# Altium PCB MU_MP_39_V1.PcbDoc (part 15 of 15)
Units mm, origin at the board's own origin, x right, y up, seen from the top; angles counter-clockwise.
Board outline 133 x 94 mm, 8 copper layers (Top Layer, GND_1, POWER_1, POWER_2, GND_2, Inner_Layer, GND_3, Bottom Layer), stack 1.468 mm thick; 934 components, 729 nets, 4006 pads, 2645 vias.
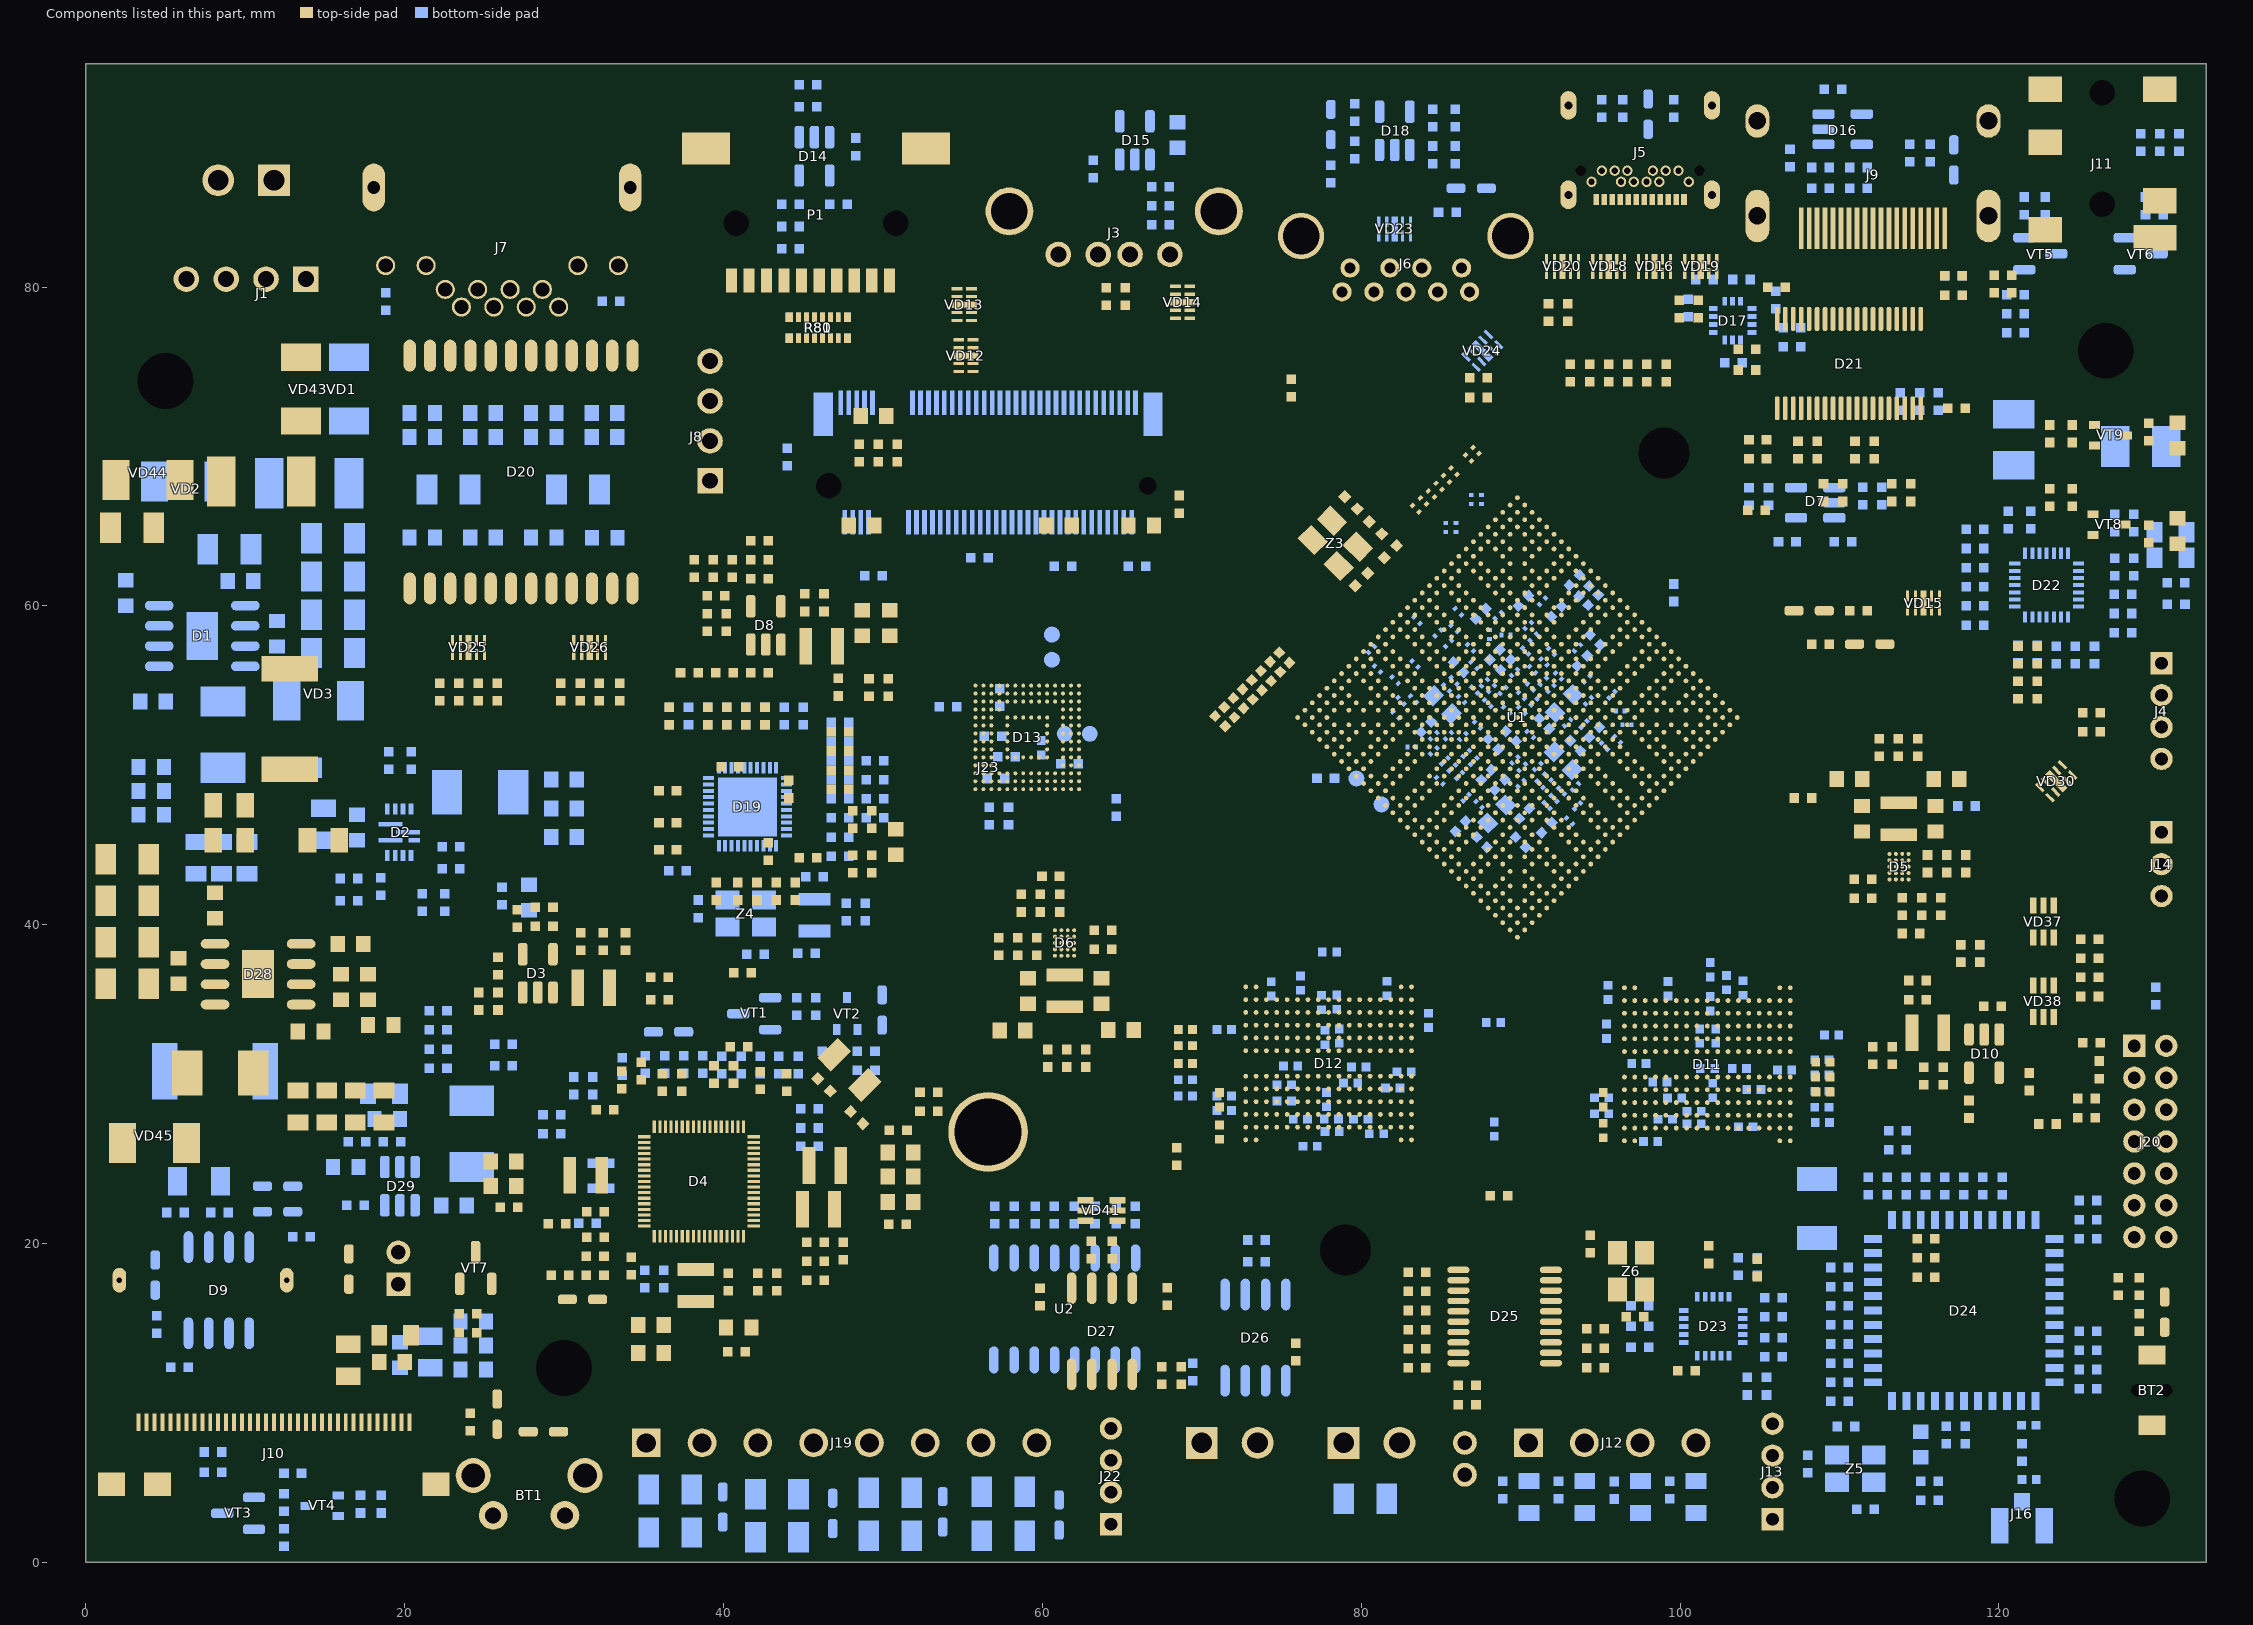
[diagram p21: the components of this part, seen from the top]

## Other copper (continued)
Inner_Layer:
  pour cut-out: 52.05,67.825 52.05,67.625 52.3,67.625 52.3,67.825
  pour cut-out: 106,53.9 106,53.5 106.5,53.5 106.5,53.9
  pour cut-out: 83.4,63 85,63 85,63.1 83.4,63.1
  pour cut-out: 77.9,73.1 77.9,72.7 78.3,72.7 78.3,73.1
  pour cut-out: 74.8,72.3 74.8,71.9 75.2,71.9 75.2,72.3
  pour cut-out: 74.8,67.1 74.8,66.2 74.7,66.2 74.7,67.1
  pour cut-out: 83,66.6 83,66.4 79.3,66.4 79.3,66.6
  pour cut-out: 100.6,54.6 100.6,54.3 101.2,53.7 101.5,53.7 101.5,54 100.9,54.6
  pour cut-out: 99.2,56 99.2,55.5 99.7,55.5 99.7,56
  pour cut-out: 103.2,71.7 103.1,71.7 103.1,73.6 103.2,73.6
  pour cut-out: 83,67 83,66.2 83.1,66.2 83.1,67
  pour cut-out: 88.9,73 88.9,72.6 89.3,72.6 89.3,73
  pour cut-out: 85.9,74.8 87.6,73.1 87.7,73.2 86,74.9
  pour cut-out: 120.8,66.9 120.8,67.5 120.5,67.5 120.5,66.9
  pour cut-out: 101.6,51.8 101.6,51.4 101.9,51.4 101.9,51.8
  pour cut-out: 123.5,42.1 123.5,39.3 123.2,39.3 123.2,42.1
  pour cut-out: 110.6,22 110.6,21.6 111,21.6 111,22
  pour cut-out: 56.9,57.6 63.2,57.6 63.3,57.5 63.6,57.5 63.6,57.7 63.5,57.8 56.9,57.8
  pour cut-out: 71.7,47.2 71.7,45.9 71.4,45.9 71.4,47.2
  pour cut-out: 60.1,26.9 60.8,26.9 61.6,27.7 61.7,27.6 60.8,26.7 60.1,26.7
  pour cut-out: 40.5,11.8 45.2,11.8 45.2,11.6 40.5,11.6
  pour cut-out: 52.2,38.4 52.2,34.3 52,34.3 52,38.4
  pour cut-out: 40.6,18 40.6,9.8 40.4,9.8 40.4,18
  pour cut-out: 39.4,33.3 39.2,33.3 38.4,32.5 38.8,32.1 39.7,33
  pour cut-out: 29.3,19.8 33.6,19.8 33.6,20 29.3,20
  pour cut-out: 45.2,31.5 45.2,31.1 45.6,31.1 45.6,31.5
  pour cut-out: 9.1,11.1 9.1,10.7 9.5,10.7 9.5,11.1
  pour cut-out: 5.5,10.8 6.6,10.8 6.6,11 5.5,11
  pour cut-out: 5.4,11 6,11 6,11.6 5.4,11.6
  pour cut-out: 7.7,26.8 7.7,26.2 8.3,26.2 8.3,26.8
  pour cut-out: 4.1,21.6 4.7,21.6 4.7,22.2 4.1,22.2
  pour cut-out: 51.2,57.8 51.2,54.9 51,54.9 51,57.8
  pour cut-out: 64.5,62.5 66.9,64.9 66.813,64.988 66.788,64.988 66.788,64.986 64.398,62.597
  pour cut-out: 96.625,29.15 96.625,28.9 96.575,28.9 96.575,29.15
  pour cut-out: 95.675,32.45 95.225,32 95.2,32.025 95.65,32.475
  pour cut-out: 82.15,42.675 82.15,42.2 81.775,42.2 81.775,42.675
  pour cut-out: 74.55,54.35 75,53.9 75.075,53.975 74.625,54.425
  pour cut-out: 86.1,44.1 83.725,44.1 83.725,44.05 86.1,44.05
  pour cut-out: 99.205,35.84 99.205,35.39 99.655,35.39 99.655,35.84
  pour cut-out: 100.54,41.096 100.54,40.646 100.99,40.646 100.99,41.096
  pour cut-out: 103.748,53.174 103.748,52.724 104.198,52.724 104.198,53.174
  pour cut-out: 85.45,61.5 85.45,61.05 85.9,61.05 85.9,61.5
  pour cut-out: 89.14,56.193 89.12,56.291 89.064,56.375 88.981,56.43 88.882,56.45 88.784,56.43 88.7,56.375 88.644,56.291 88.625,56.193 88.644,56.094 88.7,56.011 88.784,55.955 88.882,55.935 88.981,55.955 89.064,56.011 89.12,56.094 89.14,56.193
  pour cut-out: 89.599,55.733 89.579,55.832 89.524,55.915 89.44,55.971 89.342,55.99 89.243,55.971 89.16,55.915 89.104,55.832 89.084,55.733 89.104,55.635 89.16,55.551 89.243,55.495 89.342,55.476 89.44,55.495 89.524,55.551 89.579,55.635 89.599,55.733
  pour cut-out: 89.599,54.839 89.579,54.938 89.524,55.021 89.44,55.077 89.342,55.097 89.243,55.077 89.16,55.021 89.104,54.938 89.084,54.839 89.104,54.741 89.16,54.657 89.243,54.602 89.342,54.582 89.44,54.602 89.524,54.657 89.579,54.741 89.599,54.839
  pour cut-out: 89.14,55.299 89.12,55.397 89.064,55.481 88.981,55.537 88.882,55.556 88.784,55.537 88.7,55.481 88.644,55.397 88.625,55.299 88.644,55.201 88.7,55.117 88.784,55.061 88.882,55.042 88.981,55.061 89.064,55.117 89.12,55.201 89.14,55.299
  pour cut-out: 89.599,53.92 89.579,54.019 89.524,54.102 89.44,54.158 89.342,54.178 89.243,54.158 89.16,54.102 89.104,54.019 89.084,53.92 89.104,53.822 89.16,53.738 89.243,53.683 89.342,53.663 89.44,53.683 89.524,53.738 89.579,53.822 89.599,53.92
  pour cut-out: 90.059,54.38 90.039,54.478 89.983,54.562 89.9,54.618 89.801,54.637 89.703,54.618 89.619,54.562 89.564,54.478 89.544,54.38 89.564,54.281 89.619,54.198 89.703,54.142 89.801,54.123 89.9,54.142 89.983,54.198 90.039,54.281 90.059,54.38
  pour cut-out: 88.68,56.678 88.66,56.776 88.605,56.86 88.521,56.915 88.423,56.935 88.324,56.915 88.241,56.86 88.185,56.776 88.165,56.678 88.185,56.579 88.241,56.496 88.324,56.44 88.423,56.42 88.521,56.44 88.605,56.496 88.66,56.579 88.68,56.678
  pour cut-out: 88.22,57.137 88.201,57.236 88.145,57.319 88.062,57.375 87.963,57.394 87.865,57.375 87.781,57.319 87.725,57.236 87.706,57.137 87.725,57.039 87.781,56.955 87.865,56.899 87.963,56.88 88.062,56.899 88.145,56.955 88.201,57.039 88.22,57.137
  pour cut-out: 89.14,54.38 89.12,54.478 89.064,54.562 88.981,54.618 88.882,54.637 88.784,54.618 88.7,54.562 88.644,54.478 88.625,54.38 88.644,54.281 88.7,54.198 88.784,54.142 88.882,54.123 88.981,54.142 89.064,54.198 89.12,54.281 89.14,54.38
  pour cut-out: 89.14,58.056 89.12,58.155 89.064,58.238 88.981,58.294 88.882,58.314 88.784,58.294 88.7,58.238 88.644,58.155 88.625,58.056 88.644,57.958 88.7,57.874 88.784,57.819 88.882,57.799 88.981,57.819 89.064,57.874 89.12,57.958 89.14,58.056
  pour cut-out: 93.275,55.769 93.255,55.867 93.199,55.951 93.116,56.006 93.017,56.026 92.919,56.006 92.835,55.951 92.78,55.867 92.76,55.769 92.78,55.67 92.835,55.587 92.919,55.531 93.017,55.511 93.116,55.531 93.199,55.587 93.255,55.67 93.275,55.769
  pour cut-out: 88.68,57.597 88.66,57.695 88.605,57.779 88.521,57.834 88.423,57.854 88.324,57.834 88.241,57.779 88.185,57.695 88.165,57.597 88.185,57.498 88.241,57.415 88.324,57.359 88.423,57.339 88.521,57.359 88.605,57.415 88.66,57.498 88.68,57.597
  pour cut-out: 87.761,57.597 87.741,57.695 87.686,57.779 87.602,57.834 87.504,57.854 87.405,57.834 87.322,57.779 87.266,57.695 87.246,57.597 87.266,57.498 87.322,57.415 87.405,57.359 87.504,57.339 87.602,57.359 87.686,57.415 87.741,57.498 87.761,57.597
  pour cut-out: 90.059,57.15 90.039,57.248 89.983,57.332 89.9,57.388 89.801,57.407 89.703,57.388 89.619,57.332 89.564,57.248 89.544,57.15 89.564,57.051 89.619,56.968 89.703,56.912 89.801,56.892 89.9,56.912 89.983,56.968 90.039,57.051 90.059,57.15
  pour cut-out: 91.897,55.299 91.877,55.397 91.821,55.481 91.738,55.537 91.639,55.556 91.541,55.537 91.457,55.481 91.402,55.397 91.382,55.299 91.402,55.201 91.457,55.117 91.541,55.061 91.639,55.042 91.738,55.061 91.821,55.117 91.877,55.201 91.897,55.299
  pour cut-out: 91.437,55.758 91.418,55.857 91.362,55.94 91.278,55.996 91.18,56.016 91.081,55.996 90.998,55.94 90.942,55.857 90.923,55.758 90.942,55.66 90.998,55.577 91.081,55.521 91.18,55.501 91.278,55.521 91.362,55.577 91.418,55.66 91.437,55.758
  pour cut-out: 90.518,53.92 90.499,54.019 90.443,54.102 90.359,54.158 90.261,54.178 90.162,54.158 90.079,54.102 90.023,54.019 90.003,53.92 90.023,53.822 90.079,53.738 90.162,53.683 90.261,53.663 90.359,53.683 90.443,53.738 90.499,53.822 90.518,53.92
  pour cut-out: 90.978,55.299 90.958,55.397 90.902,55.481 90.819,55.537 90.72,55.556 90.622,55.537 90.538,55.481 90.483,55.397 90.463,55.299 90.483,55.201 90.538,55.117 90.622,55.061 90.72,55.042 90.819,55.061 90.902,55.117 90.958,55.201 90.978,55.299
  pour cut-out: 90.059,55.299 90.039,55.397 89.983,55.481 89.9,55.537 89.801,55.556 89.703,55.537 89.619,55.481 89.564,55.397 89.544,55.299 89.564,55.201 89.619,55.117 89.703,55.061 89.801,55.042 89.9,55.061 89.983,55.117 90.039,55.201 90.059,55.299
  pour cut-out: 90.059,56.193 90.039,56.291 89.983,56.375 89.9,56.43 89.801,56.45 89.703,56.43 89.619,56.375 89.564,56.291 89.544,56.193 89.564,56.094 89.619,56.011 89.703,55.955 89.801,55.935 89.9,55.955 89.983,56.011 90.039,56.094 90.059,56.193
  pour cut-out: 90.518,55.758 90.499,55.857 90.443,55.94 90.359,55.996 90.261,56.016 90.162,55.996 90.079,55.94 90.023,55.857 90.003,55.758 90.023,55.66 90.079,55.577 90.162,55.521 90.261,55.501 90.359,55.521 90.443,55.577 90.499,55.66 90.518,55.758
  pour cut-out: 90.518,54.839 90.499,54.938 90.443,55.021 90.359,55.077 90.261,55.097 90.162,55.077 90.079,55.021 90.023,54.938 90.003,54.839 90.023,54.741 90.079,54.657 90.162,54.602 90.261,54.582 90.359,54.602 90.443,54.657 90.499,54.741 90.518,54.839
  pour cut-out: 89.619,56.677 89.6,56.775 89.544,56.859 89.461,56.915 89.362,56.934 89.264,56.915 89.18,56.859 89.124,56.775 89.105,56.677 89.124,56.578 89.18,56.495 89.264,56.439 89.362,56.419 89.461,56.439 89.544,56.495 89.6,56.578 89.619,56.677
  pour cut-out: 89.14,57.112 89.12,57.21 89.064,57.294 88.981,57.349 88.882,57.369 88.784,57.349 88.7,57.294 88.644,57.21 88.625,57.112 88.644,57.013 88.7,56.93 88.784,56.874 88.882,56.854 88.981,56.874 89.064,56.93 89.12,57.013 89.14,57.112
  pour cut-out: 91.437,54.839 91.418,54.938 91.362,55.021 91.278,55.077 91.18,55.097 91.081,55.077 90.998,55.021 90.942,54.938 90.923,54.839 90.942,54.741 90.998,54.657 91.081,54.602 91.18,54.582 91.278,54.602 91.362,54.657 91.418,54.741 91.437,54.839
  pour cut-out: 90.978,54.38 90.958,54.478 90.902,54.562 90.819,54.618 90.72,54.637 90.622,54.618 90.538,54.562 90.483,54.478 90.463,54.38 90.483,54.281 90.538,54.198 90.622,54.142 90.72,54.123 90.819,54.142 90.902,54.198 90.958,54.281 90.978,54.38
GND_1:
  pour cut-out: 73.125,75.55 73.125,75.325 73.4,75.325 73.4,75.55
  pour cut-out: 52.05,67.825 52.275,67.825 52.3,67.8 52.3,67.625 52.05,67.625
POWER_2:
  pour cut-out: 77.925,72.575 77.925,72.325 78.175,72.325 78.175,72.575
  pour cut-out: 52.05,67.825 52.05,67.625 52.3,67.625 52.3,67.825
  pour cut-out: 115,67.3 115,66.5 115.2,66.5 115.2,67.3
  pour cut-out: 122,54.5 123.8,56.3 123.7,56.4 121.9,54.6
  pour cut-out: 118.5,57.7 118.5,57.1 119.1,57.1 119.1,57.7
  pour cut-out: 108.1,46.9 108.6,47.4 108.5,47.5 108,47
  pour cut-out: 122.5,18.9 126.9,18.9 126.9,19.1 122.5,19.1
  pour cut-out: 122.4,38 122.4,37.6 122.8,37.6 122.8,38
  pour cut-out: 122.5,33.3 122.5,32.9 122.9,32.9 122.9,33.3
  pour cut-out: 115.2,37.5 116.7,37.5 116.7,37.3 115.2,37.3
  pour cut-out: 84.4,20.6 84.4,19.1 84.3,19.1 84.3,20.6
  pour cut-out: 44.8,45.5 44.8,45.3 44,44.5 44.1,44.5 45,45.4
  pour cut-out: 40.3,43.3 42.1,43.3 42.1,43.2 40.3,43.2
  pour cut-out: 53.7,35.6 53.7,35.2 53.9,35.2 53.9,35.6
  pour cut-out: 52,34.7 52,34.2 52.2,34.2 52.2,34.7
  pour cut-out: 55.8,33.7 55.8,33.1 55.7,33.1 55.7,33.7
  pour cut-out: 42.8,26.8 43.4,27.4 43.3,27.5 42.7,26.9
  pour cut-out: 49.6,30.3 49.6,29.2 49.4,29.2 49.4,30.3
  pour cut-out: 44.7,33.1 44.7,30.8 44.5,30.8 44.5,33.1
  pour cut-out: 35.4,26.9 41.5,26.9 41.5,27 35.4,27
  pour cut-out: 35.4,27.1 35.4,21.7 35.2,21.7 35.2,27.1
  pour cut-out: 43.5,22 43.5,21.5 44,21.5 44,22
  pour cut-out: 51,17.9 51,17.1 50.8,17.1 50.8,17.9
  pour cut-out: 46.6,16.7 46.6,15.3 46.4,15.3 46.4,16.7
  pour cut-out: 23.4,44.9 22.8,44.3 22.6,44.5 23.2,45.1
GND_2:
  pour cut-out: 73.125,75.55 73.125,75.325 73.4,75.325 73.4,75.55
  pour cut-out: 52.05,67.825 52.05,67.625 52.3,67.625 52.3,67.825
GND_3:
  pour cut-out: 73.125,75.55 73.125,75.325 73.4,75.325 73.4,75.55
  pour cut-out: 52.05,67.825 52.05,67.625 52.3,67.625 52.3,67.825
Bottom Layer:
  pour cut-out: 25.1,74.6 25.1,74.45 25.375,74.45 25.375,74.6
  pour cut-out: 84.6,48.7 84.85,48.7 84.85,48.95 84.6,48.95
  pour cut-out: 94.975,35.675 95.2,35.675 95.2,35.875 94.975,35.875
  pour cut-out: 113.05,11.05 113.05,10.625 112.625,10.625 112.625,11.05
  pour cut-out: 44.6,41.1 44.6,40.1 44.7,40.1 44.7,41
  pour cut-out: 6.1,52.3 6.1,51.5 10.7,51.5 10.7,52.3
  pour cut-out: 24,50.7 24,45.9 25.3,45.9 25.3,50.7
  pour cut-out: 21.8,27.8 26.6,27.8 26.6,25.9 21.8,25.9
  pour cut-out: 33.9,8.8 33.9,6.4 61,6.4 61,8.7
  pour cut-out: 55.6,14.2 55.6,11.9 55.8,11.7 66.2,11.7 66.4,11.9 66.4,14.2
  pour cut-out: 56.6,22.1 56.6,21.5 56.8,21.5 56.8,22.1
  pour cut-out: 58.5,20.9 64.3,20.9 64.3,21.1 58.5,21.1
  pour cut-out: 72.8,12.5 73.9,12.5 73.9,12.3 72.8,12.3
  pour cut-out: 101.3,17.1 101.8,17.1 101.8,17.2 101.3,17.2
  pour cut-out: 100.3,2.5 100.3,2.1 91.3,2.1 91.3,2.5
  pour cut-out: 107.25,23.175 107.25,21 107.1,21 107.1,23.175
  pour cut-out: 110.5,22.8 110.5,20.9 110.4,21 110.4,22.9
  pour cut-out: 124,51.2 125.8,51.2 125.8,51.1 124,51.1
  pour cut-out: 117.3,35.4 122,35.4 122,35.3 117.3,35.3
  pour cut-out: 122.4,38 122.4,37.6 122.8,37.6 122.8,38
  pour cut-out: 103.7,58.5 103.7,57 104,57 104,58.5
  pour cut-out: 87.7,77.6 88.6,78.5 88.7,78.4 87.8,77.5
  pour cut-out: 98.1,73.6 98.9,73.6 98.9,73.4 98.1,73.4
  pour cut-out: 93.9,62.7 95.6,61 95.7,61.1 94,62.8
  pour cut-out: 89.9,67.7 89.2,67 89.1,67.1 89.8,67.8
  pour cut-out: 88.3,64.4 89.2,65.3 89.1,65.4 88.2,64.5
  pour cut-out: 84.9,72 84.9,71.6 85.3,71.6 85.3,72
  pour cut-out: 84.3,72.9 84.3,72.4 84.8,72.4 84.8,72.9
  pour cut-out: 82.4,68.5 82.4,68.1 82.87,68.1 82.873,68.097 82.9,68.123 82.9,68.5
  pour cut-out: 82.5,66.5 82.9,66.5 82.9,67 82.5,67
  pour cut-out: 79.9,68.6 79.9,68.1 80.4,68.1 80.4,68.6
  pour cut-out: 79.9,67 79.9,66.5 80.4,66.5 80.4,67
  pour cut-out: 77.6,67.3 78.2,67.3 78.2,67.2 77.6,67.2
  pour cut-out: 78.4,62.7 78.4,62.3 78.8,62.3 78.8,62.7

## Silkscreen, mask and mechanical layers (free items; w line width, h text height)
Top Overlay:
  text "POWER_IN" at 4.142,92.175 h0.7 r270
  text "+" at 11.65,84.433 h0.7
  text "-" at 7.85,84.4 h0.7
  text "-" at 5.85,77.3 h0.7
  text "-" at 8.55,77.3 h0.7
  text "+" at 10.95,77.233 h0.7
  text "+" at 13.65,77.233 h0.7
  text "D" at 43.15,75.75 h0.7 r270
  text "C" at 43.15,73.45 h0.7 r270
  text "POE" at 44.25,72.85 h0.7 r270
  text "B" at 43.15,70.75 h0.7 r270
  text "A" at 43.15,68.35 h0.7 r270
  text "DIY" at 130.45,68.15 h0.7
  text "WORK" at 129.85,66.55 h0.7
  text "DEBUG" at 124.25,46.85 h0.7 r270
  text "TX" at 125.65,45.65 h0.7
  text "RX" at 125.65,43.75 h0.7
  text "GND" at 124.95,41.25 h0.7
  text "2" at 131.85,34.05 h0.7
  text "1" at 126.65,33.65 h0.7
  text "FAN-" at 21.15,24.55 h0.7 r270
  text "FAN+" at 21.55,15.05 h0.7 r270
  text "RECOVERY" at 126.65,12.975 h0.7 r270
  text "485" at 70.85,10.35 h0.7
  text "CAN" at 79.35,10.35 h0.7
  text "SOUND" at 93.05,10.15 h0.7
  text "B" at 73.25,9.35 h0.7
  text "L" at 82.15,9.35 h0.7
  text "A" at 69.85,9.25 h0.7
  text "H" at 78.65,9.25 h0.7
  text "IN3+" at 48.15,9.15 h0.7
  text "IN3-" at 51.75,9.15 h0.7
  text "IN4+" at 55.15,9.15 h0.7
  text "IN4-" at 58.65,9.15 h0.7
  text "R+" at 100.65,9.15 h0.7
  text "IN1+" at 34.15,9.05 h0.7
  text "IN1-" at 37.75,9.05 h0.7
  text "IN2+" at 41.45,9.05 h0.7
  text "IN2-" at 44.95,9.05 h0.7
  text "L+" at 89.95,9.05 h0.7
  text "L-" at 93.45,9.05 h0.7
  text "R-" at 97.15,9.05 h0.7
  text "MU_MP_39_V1 / Designed:Didur D. A." at 110.7,4.3 h0.7
  text "POWER_BTN" at 16.025,1.442 h0.7
Bottom Overlay:
  text "EMMC" at 66.55,58.45 h0.7
  text "D7" at 59.55,56.25 h0.7
  text "5V" at 132.45,56.05 h0.7
  text "MASKROM" at 64.85,54.85 h0.7 r90
  text "D-" at 132.45,54.05 h0.7
  text "D+" at 132.45,52.05 h0.7
  text "GND" at 131.15,48.55 h0.7
  text "GND" at 104.75,8.45 h0.7
  text "3V3" at 67.25,8.05 h0.7
  text "R_IN" at 104.75,6.567 h0.7
  text "GND" at 67.25,6.05 h0.7
  text "GND" at 104.75,4.45 h0.7
  text "RX" at 67.25,4.05 h0.7
  text "L_IN" at 104.75,2.467 h0.7
  text "TX" at 67.35,2.05 h0.7
  text "MIC" at 106.85,0.65 h0.7

## Text inside footprints (layer, text, board x,y; h text height)
D11: Mechanical 7 "A3" at 96.005,28.046 h0.7 r90; Mechanical 7 "A6" at 96.005,30.445 h0.7 r90; Mechanical 7 "U3" at 106.405,28.046 h0.7 r90; Mechanical 7 "A10" at 95.751,33.645 h0.7 r90; Mechanical 7 "U10" at 106.151,33.645 h0.7 r90; Mechanical 7 "U4" at 106.405,28.845 h0.7 r90; Mechanical 7 "U5" at 106.405,29.645 h0.7 r90; Mechanical 7 "U6" at 106.405,30.445 h0.7 r90; Mechanical 7 "A4" at 96.005,28.845 h0.7 r90; Mechanical 7 "A5" at 96.005,29.645 h0.7 r90; Mechanical 7 "K11" at 101.601,34.445 h0.7 r90; Mechanical 7 "L12" at 102.251,35.245 h0.7 r90; Mechanical 7 "H11" at 100.301,34.445 h0.7 r90; Mechanical 7 "J10" at 100.951,33.645 h0.7 r90; Mechanical 7 "K8" at 101.855,32.046 h0.7 r90; Mechanical 7 "H9" at 100.555,32.845 h0.7 r90; Mechanical 7 "J9" at 101.205,32.845 h0.7 r90; Mechanical 7 "H8" at 100.555,32.046 h0.7 r90; Mechanical 7 "E8" at 98.605,32.046 h0.7 r90; Mechanical 7 "A11" at 95.751,34.445 h0.7 r90; Mechanical 7 "C12" at 97.051,35.245 h0.7 r90; Mechanical 7 "E12" at 98.351,35.245 h0.7 r90; Mechanical 7 "G12" at 99.651,35.245 h0.7 r90; Mechanical 7 "N8" at 103.805,32.046 h0.7 r90; Mechanical 7 "U11" at 106.151,34.445 h0.7 r90; Mechanical 7 "N12" at 103.551,35.245 h0.7 r90; Mechanical 7 "R12" at 104.851,35.245 h0.7 r90; Mechanical 7 "H4" at 100.555,28.845 h0.7 r90; Mechanical 7 "B3" at 96.655,28.046 h0.7 r90; Mechanical 7 "B4" at 96.655,28.845 h0.7 r90; Mechanical 7 "K6" at 101.855,30.445 h0.7 r90; Mechanical 7 "L5" at 102.505,29.645 h0.7 r90; Mechanical 7 "K5" at 101.855,29.645 h0.7 r90; Mechanical 7 "D4" at 97.955,28.845 h0.7 r90; Mechanical 7 "D6" at 97.955,30.445 h0.7 r90; Mechanical 7 "D5" at 97.955,29.645 h0.7 r90; Mechanical 7 "P4" at 104.455,28.845 h0.7 r90; Mechanical 7 "P6" at 104.455,30.445 h0.7 r90; Mechanical 7 "P5" at 104.455,29.645 h0.7 r90; Mechanical 7 "M2" at 103.155,27.245 h0.7 r90; Mechanical 7 "L2" at 102.505,27.245 h0.7 r90; Mechanical 7 "G2" at 99.905,27.245 h0.7 r90; Mechanical 7 "F2" at 99.255,27.245 h0.7 r90; Mechanical 7 "H3" at 100.555,28.046 h0.7 r90; Mechanical 7 "G5" at 99.905,29.645 h0.7 r90; Mechanical 7 "H5" at 100.555,29.645 h0.7 r90; Mechanical 7 "J6" at 101.205,30.445 h0.7 r90; Mechanical 7 "H6" at 100.555,30.445 h0.7 r90; Mechanical 7 "J5" at 101.205,29.645 h0.7 r90; Mechanical 7 "U9" at 106.405,32.845 h0.7 r90; Mechanical 7 "A9" at 96.005,32.845 h0.7 r90; Mechanical 7 "A8" at 96.005,32.046 h0.7 r90; Mechanical 7 "K12" at 101.601,35.245 h0.7 r90; Mechanical 7 "H12" at 100.301,35.245 h0.7 r90; Mechanical 7 "U8" at 106.405,32.046 h0.7 r90; Mechanical 7 "C4" at 97.305,28.845 h0.7 r90; Mechanical 7 "K9" at 101.855,32.845 h0.7 r90; Mechanical 7 "R3" at 105.105,28.046 h0.7 r90; Mechanical 7 "A1" at 96.005,26.445 h0.7 r90; Mechanical 7 "U2" at 106.405,27.245 h0.7 r90; Mechanical 7 "U12" at 106.151,35.245 h0.7 r90; Mechanical 7 "U13" at 106.151,36.045 h0.7 r90; Mechanical 7 "A2" at 96.005,27.245 h0.7 r90; Mechanical 7 "A12" at 95.751,35.245 h0.7 r90; Mechanical 7 "A13" at 95.751,36.045 h0.7 r90; Mechanical 7 "B1" at 96.655,26.445 h0.7 r90; Mechanical 7 "B13" at 96.401,36.046 h0.7 r90; Mechanical 7 "T1" at 105.755,26.445 h0.7 r90; Mechanical 7 "T13" at 105.501,36.046 h0.7 r90; Mechanical 7 "U1" at 106.405,26.445 h0.7 r90; Mechanical 7 "J3" at 101.205,28.046 h0.7 r90; Mechanical 7 "J2" at 101.205,27.245 h0.7 r90; Mechanical 7 "P3" at 104.455,28.046 h0.7 r90; Mechanical 7 "N4" at 103.805,28.845 h0.7 r90; Mechanical 7 "M4" at 103.155,28.845 h0.7 r90; Mechanical 7 "N5" at 103.805,29.645 h0.7 r90; Mechanical 7 "M5" at 103.155,29.645 h0.7 r90; Mechanical 7 "L6" at 102.505,30.445 h0.7 r90; Mechanical 7 "N6" at 103.805,30.445 h0.7 r90; Mechanical 7 "M6" at 103.155,30.445 h0.7 r90; Mechanical 7 "E5" at 98.605,29.645 h0.7 r90; Mechanical 7 "F5" at 99.255,29.645 h0.7 r90; Mechanical 7 "B2" at 96.655,27.245 h0.7 r90; Mechanical 7 "D3" at 97.955,28.046 h0.7 r90; Mechanical 7 "C3" at 97.305,28.046 h0.7 r90; Mechanical 7 "G3" at 99.905,28.046 h0.7 r90; Mechanical 7 "G4" at 99.905,28.845 h0.7 r90; Mechanical 7 "E4" at 98.605,28.845 h0.7 r90; Mechanical 7 "F4" at 99.255,28.845 h0.7 r90; Mechanical 7 "F6" at 99.255,30.445 h0.7 r90; Mechanical 7 "G6" at 99.905,30.445 h0.7 r90; Mechanical 7 "E6" at 98.605,30.445 h0.7 r90; Mechanical 7 "G9" at 99.905,32.845 h0.7 r90; Mechanical 7 "H10" at 100.301,33.645 h0.7 r90; Mechanical 7 "C6" at 97.305,30.445 h0.7 r90; Mechanical 7 "B6" at 96.655,30.445 h0.7 r90; Mechanical 7 "B5" at 96.655,29.645 h0.7 r90; Mechanical 7 "C5" at 97.305,29.645 h0.7 r90; Mechanical 7 "J4" at 101.205,28.845 h0.7 r90; Mechanical 7 "K2" at 101.855,27.245 h0.7 r90; Mechanical 7 "R5" at 105.105,29.645 h0.7 r90; Mechanical 7 "T5" at 105.755,29.645 h0.7 r90; Mechanical 7 "T4" at 105.755,28.845 h0.7 r90; Mechanical 7 "R4" at 105.105,28.845 h0.7 r90; Mechanical 7 "T6" at 105.755,30.445 h0.7 r90; Mechanical 7 "T3" at 105.755,28.046 h0.7 r90; Mechanical 7 "R6" at 105.105,30.445 h0.7 r90; Mechanical 7 "L9" at 102.505,32.845 h0.7 r90; Mechanical 7 "K10" at 101.601,33.645 h0.7 r90; Mechanical 7 "F12" at 99.001,35.245 h0.7 r90; Mechanical 7 "P12" at 104.201,35.245 h0.7 r90; Mechanical 7 "H2" at 100.555,27.245 h0.7 r90; Mechanical 7 "T2" at 105.755,27.245 h0.7 r90; Mechanical 7 "M12" at 102.901,35.245 h0.7 r90; Mechanical 7 "J12" at 100.951,35.245 h0.7 r90; Mechanical 7 "D12" at 97.701,35.245 h0.7 r90; Mechanical 7 "B12" at 96.401,35.245 h0.7 r90; Mechanical 7 "T12" at 105.501,35.245 h0.7 r90; Mechanical 7 "J11" at 100.951,34.445 h0.7 r90; Mechanical 7 "M3" at 103.155,28.046 h0.7 r90; Mechanical 7 "K3" at 101.855,28.046 h0.7 r90; Mechanical 7 "K4" at 101.855,28.845 h0.7 r90; Mechanical 7 "L3" at 102.505,28.046 h0.7 r90; Mechanical 7 "L4" at 102.505,28.845 h0.7 r90; Mechanical 7 "J8" at 101.205,32.046 h0.7 r90; Mechanical 7 "T8" at 105.755,32.046 h0.7 r90; Mechanical 7 "T10" at 105.501,33.645 h0.7 r90; Mechanical 7 "R2" at 105.105,27.245 h0.7 r90; Mechanical 7 "P2" at 104.455,27.245 h0.7 r90; Mechanical 7 "N2" at 103.805,27.245 h0.7 r90; Mechanical 7 "N3" at 103.805,28.046 h0.7 r90; Mechanical 7 "F3" at 99.255,28.046 h0.7 r90; Mechanical 7 "E3" at 98.605,28.046 h0.7 r90; Mechanical 7 "E2" at 98.605,27.245 h0.7 r90; Mechanical 7 "D2" at 97.955,27.245 h0.7 r90; Mechanical 7 "C2" at 97.305,27.245 h0.7 r90; Mechanical 7 "P9" at 104.455,32.845 h0.7 r90; Mechanical 7 "N9" at 103.805,32.845 h0.7 r90; Mechanical 7 "F9" at 99.255,32.845 h0.7 r90; Mechanical 7 "F8" at 99.255,32.046 h0.7 r90; Mechanical 7 "E11" at 98.351,34.445 h0.7 r90; Mechanical 7 "E10" at 98.351,33.645 h0.7 r90; Mechanical 7 "E9" at 98.605,32.845 h0.7 r90; Mechanical 7 "D9" at 97.955,32.845 h0.7 r90; Mechanical 7 "T9" at 105.755,32.845 h0.7 r90; Mechanical 7 "T11" at 105.501,34.445 h0.7 r90; Mechanical 7 "N10" at 103.551,33.645 h0.7 r90; Mechanical 7 "R8" at 105.105,32.046 h0.7 r90; Mechanical 7 "R9" at 105.105,32.845 h0.7 r90; Mechanical 7 "R10" at 104.851,33.645 h0.7 r90; Mechanical 7 "R11" at 104.851,34.445 h0.7 r90; Mechanical 7 "C11" at 97.051,34.445 h0.7 r90; Mechanical 7 "C10" at 97.051,33.645 h0.7 r90; Mechanical 7 "C9" at 97.305,32.845 h0.7 r90; Mechanical 7 "C8" at 97.305,32.046 h0.7 r90; Mechanical 7 "B11" at 96.401,34.445 h0.7 r90; Mechanical 7 "B10" at 96.401,33.645 h0.7 r90; Mechanical 7 "N11" at 103.551,34.445 h0.7 r90; Mechanical 7 "B9" at 96.655,32.845 h0.7 r90; Mechanical 7 "B8" at 96.655,32.046 h0.7 r90; Mechanical 7 "M8" at 103.155,32.046 h0.7 r90; Mechanical 7 "M9" at 103.155,32.845 h0.7 r90; Mechanical 7 "M10" at 102.901,33.645 h0.7 r90; Mechanical 7 "M11" at 102.901,34.445 h0.7 r90; Mechanical 7 "F11" at 99.001,34.445 h0.7 r90; Mechanical 7 "F10" at 99.001,33.645 h0.7 r90; Mechanical 7 "L8" at 102.505,32.046 h0.7 r90; Mechanical 7 "G8" at 99.905,32.046 h0.7 r90; Mechanical 7 "P8" at 104.455,32.046 h0.7 r90; Mechanical 7 "D8" at 97.955,32.046 h0.7 r90; Mechanical 7 "L11" at 102.251,34.445 h0.7 r90; Mechanical 7 "L10" at 102.251,33.645 h0.7 r90; Mechanical 7 "G11" at 99.651,34.445 h0.7 r90; Mechanical 7 "G10" at 99.651,33.645 h0.7 r90; Mechanical 7 "P11" at 104.201,34.445 h0.7 r90; Mechanical 7 "P10" at 104.201,33.645 h0.7 r90; Mechanical 7 "D10" at 97.701,33.645 h0.7 r90; Mechanical 12 "K4E8E304EE-EGCE" at 101.713,31.245 h0.7 r90
D12: Mechanical 7 "A3" at 72.247,28.101 h0.7 r90; Mechanical 7 "A6" at 72.247,30.501 h0.7 r90; Mechanical 7 "U3" at 82.646,28.101 h0.7 r90; Mechanical 7 "A10" at 71.993,33.701 h0.7 r90; Mechanical 7 "U10" at 82.392,33.701 h0.7 r90; Mechanical 7 "U4" at 82.646,28.901 h0.7 r90; Mechanical 7 "U5" at 82.646,29.701 h0.7 r90; Mechanical 7 "U6" at 82.646,30.501 h0.7 r90; Mechanical 7 "A4" at 72.247,28.901 h0.7 r90; Mechanical 7 "A5" at 72.247,29.701 h0.7 r90; Mechanical 7 "K11" at 77.843,34.501 h0.7 r90; Mechanical 7 "L12" at 78.493,35.301 h0.7 r90; Mechanical 7 "H11" at 76.543,34.501 h0.7 r90; Mechanical 7 "J10" at 77.193,33.701 h0.7 r90; Mechanical 7 "K8" at 78.097,32.101 h0.7 r90; Mechanical 7 "H9" at 76.797,32.901 h0.7 r90; Mechanical 7 "J9" at 77.447,32.901 h0.7 r90; Mechanical 7 "H8" at 76.797,32.101 h0.7 r90; Mechanical 7 "E8" at 74.847,32.101 h0.7 r90; Mechanical 7 "A11" at 71.993,34.501 h0.7 r90; Mechanical 7 "C12" at 73.293,35.301 h0.7 r90; Mechanical 7 "E12" at 74.593,35.301 h0.7 r90; Mechanical 7 "G12" at 75.893,35.301 h0.7 r90; Mechanical 7 "N8" at 80.047,32.101 h0.7 r90; Mechanical 7 "U11" at 82.392,34.501 h0.7 r90; Mechanical 7 "N12" at 79.793,35.301 h0.7 r90; Mechanical 7 "R12" at 81.092,35.301 h0.7 r90; Mechanical 7 "H4" at 76.797,28.901 h0.7 r90; Mechanical 7 "B3" at 72.897,28.101 h0.7 r90; Mechanical 7 "B4" at 72.897,28.901 h0.7 r90; Mechanical 7 "K6" at 78.097,30.501 h0.7 r90; Mechanical 7 "L5" at 78.747,29.701 h0.7 r90; Mechanical 7 "K5" at 78.097,29.701 h0.7 r90; Mechanical 7 "D4" at 74.197,28.901 h0.7 r90; Mechanical 7 "D6" at 74.197,30.501 h0.7 r90; Mechanical 7 "D5" at 74.197,29.701 h0.7 r90; Mechanical 7 "P4" at 80.697,28.901 h0.7 r90; Mechanical 7 "P6" at 80.697,30.501 h0.7 r90; Mechanical 7 "P5" at 80.697,29.701 h0.7 r90; Mechanical 7 "M2" at 79.397,27.301 h0.7 r90; Mechanical 7 "L2" at 78.747,27.301 h0.7 r90; Mechanical 7 "G2" at 76.147,27.301 h0.7 r90; Mechanical 7 "F2" at 75.497,27.301 h0.7 r90; Mechanical 7 "H3" at 76.797,28.101 h0.7 r90; Mechanical 7 "G5" at 76.147,29.701 h0.7 r90; Mechanical 7 "H5" at 76.797,29.701 h0.7 r90; Mechanical 7 "J6" at 77.447,30.501 h0.7 r90; Mechanical 7 "H6" at 76.797,30.501 h0.7 r90; Mechanical 7 "J5" at 77.447,29.701 h0.7 r90; Mechanical 7 "U9" at 82.646,32.901 h0.7 r90; Mechanical 7 "A9" at 72.247,32.901 h0.7 r90; Mechanical 7 "A8" at 72.247,32.101 h0.7 r90; Mechanical 7 "K12" at 77.843,35.301 h0.7 r90; Mechanical 7 "H12" at 76.543,35.301 h0.7 r90; Mechanical 7 "U8" at 82.646,32.101 h0.7 r90; Mechanical 7 "C4" at 73.547,28.901 h0.7 r90; Mechanical 7 "K9" at 78.097,32.901 h0.7 r90; Mechanical 7 "R3" at 81.346,28.101 h0.7 r90; Mechanical 7 "A1" at 72.247,26.501 h0.7 r90; Mechanical 7 "U2" at 82.646,27.301 h0.7 r90; Mechanical 7 "U12" at 82.392,35.301 h0.7 r90; Mechanical 7 "U13" at 82.392,36.101 h0.7 r90; Mechanical 7 "A2" at 72.247,27.301 h0.7 r90; Mechanical 7 "A12" at 71.993,35.301 h0.7 r90; Mechanical 7 "A13" at 71.993,36.101 h0.7 r90; Mechanical 7 "B1" at 72.897,26.501 h0.7 r90; Mechanical 7 "B13" at 72.643,36.101 h0.7 r90; Mechanical 7 "T1" at 81.996,26.501 h0.7 r90; Mechanical 7 "T13" at 81.742,36.101 h0.7 r90; Mechanical 7 "U1" at 82.646,26.501 h0.7 r90; Mechanical 7 "J3" at 77.447,28.101 h0.7 r90; Mechanical 7 "J2" at 77.447,27.301 h0.7 r90; Mechanical 7 "P3" at 80.697,28.101 h0.7 r90; Mechanical 7 "N4" at 80.047,28.901 h0.7 r90; Mechanical 7 "M4" at 79.397,28.901 h0.7 r90; Mechanical 7 "N5" at 80.047,29.701 h0.7 r90; Mechanical 7 "M5" at 79.397,29.701 h0.7 r90; Mechanical 7 "L6" at 78.747,30.501 h0.7 r90; Mechanical 7 "N6" at 80.047,30.501 h0.7 r90; Mechanical 7 "M6" at 79.397,30.501 h0.7 r90; Mechanical 7 "E5" at 74.847,29.701 h0.7 r90; Mechanical 7 "F5" at 75.497,29.701 h0.7 r90; Mechanical 7 "B2" at 72.897,27.301 h0.7 r90; Mechanical 7 "D3" at 74.197,28.101 h0.7 r90; Mechanical 7 "C3" at 73.547,28.101 h0.7 r90; Mechanical 7 "G3" at 76.147,28.101 h0.7 r90; Mechanical 7 "G4" at 76.147,28.901 h0.7 r90; Mechanical 7 "E4" at 74.847,28.901 h0.7 r90; Mechanical 7 "F4" at 75.497,28.901 h0.7 r90; Mechanical 7 "F6" at 75.497,30.501 h0.7 r90; Mechanical 7 "G6" at 76.147,30.501 h0.7 r90; Mechanical 7 "E6" at 74.847,30.501 h0.7 r90; Mechanical 7 "G9" at 76.147,32.901 h0.7 r90; Mechanical 7 "H10" at 76.543,33.701 h0.7 r90; Mechanical 7 "C6" at 73.547,30.501 h0.7 r90; Mechanical 7 "B6" at 72.897,30.501 h0.7 r90; Mechanical 7 "B5" at 72.897,29.701 h0.7 r90; Mechanical 7 "C5" at 73.547,29.701 h0.7 r90; Mechanical 7 "J4" at 77.447,28.901 h0.7 r90; Mechanical 7 "K2" at 78.097,27.301 h0.7 r90; Mechanical 7 "R5" at 81.346,29.701 h0.7 r90; Mechanical 7 "T5" at 81.996,29.701 h0.7 r90; Mechanical 7 "T4" at 81.996,28.901 h0.7 r90; Mechanical 7 "R4" at 81.346,28.901 h0.7 r90; Mechanical 7 "T6" at 81.996,30.501 h0.7 r90; Mechanical 7 "T3" at 81.996,28.101 h0.7 r90; Mechanical 7 "R6" at 81.346,30.501 h0.7 r90; Mechanical 7 "L9" at 78.747,32.901 h0.7 r90; Mechanical 7 "K10" at 77.843,33.701 h0.7 r90; Mechanical 7 "F12" at 75.243,35.301 h0.7 r90; Mechanical 7 "P12" at 80.443,35.301 h0.7 r90; Mechanical 7 "H2" at 76.797,27.301 h0.7 r90; Mechanical 7 "T2" at 81.996,27.301 h0.7 r90; Mechanical 7 "M12" at 79.143,35.301 h0.7 r90; Mechanical 7 "J12" at 77.193,35.301 h0.7 r90; Mechanical 7 "B12" at 72.643,35.301 h0.7 r90; Mechanical 7 "T12" at 81.742,35.301 h0.7 r90; Mechanical 7 "J11" at 77.193,34.501 h0.7 r90; Mechanical 7 "M3" at 79.397,28.101 h0.7 r90; Mechanical 7 "K3" at 78.097,28.101 h0.7 r90; Mechanical 7 "K4" at 78.097,28.901 h0.7 r90; Mechanical 7 "L3" at 78.747,28.101 h0.7 r90; Mechanical 7 "L4" at 78.747,28.901 h0.7 r90; Mechanical 7 "J8" at 77.447,32.101 h0.7 r90; Mechanical 7 "T8" at 81.996,32.101 h0.7 r90; Mechanical 7 "T10" at 81.742,33.701 h0.7 r90; Mechanical 7 "R2" at 81.346,27.301 h0.7 r90; Mechanical 7 "P2" at 80.697,27.301 h0.7 r90; Mechanical 7 "N2" at 80.047,27.301 h0.7 r90; Mechanical 7 "N3" at 80.047,28.101 h0.7 r90; Mechanical 7 "F3" at 75.497,28.101 h0.7 r90; Mechanical 7 "E3" at 74.847,28.101 h0.7 r90; Mechanical 7 "E2" at 74.847,27.301 h0.7 r90; Mechanical 7 "D2" at 74.197,27.301 h0.7 r90; Mechanical 7 "C2" at 73.547,27.301 h0.7 r90; Mechanical 7 "P9" at 80.697,32.901 h0.7 r90; Mechanical 7 "N9" at 80.047,32.901 h0.7 r90; Mechanical 7 "F9" at 75.497,32.901 h0.7 r90; Mechanical 7 "F8" at 75.497,32.101 h0.7 r90; Mechanical 7 "E11" at 74.593,34.501 h0.7 r90; Mechanical 7 "E10" at 74.593,33.701 h0.7 r90; Mechanical 7 "E9" at 74.847,32.901 h0.7 r90; Mechanical 7 "D9" at 74.197,32.901 h0.7 r90; Mechanical 7 "T9" at 81.996,32.901 h0.7 r90; Mechanical 7 "T11" at 81.742,34.501 h0.7 r90; Mechanical 7 "N10" at 79.793,33.701 h0.7 r90; Mechanical 7 "R8" at 81.346,32.101 h0.7 r90; Mechanical 7 "R9" at 81.346,32.901 h0.7 r90; Mechanical 7 "R10" at 81.092,33.701 h0.7 r90; Mechanical 7 "R11" at 81.092,34.501 h0.7 r90; Mechanical 7 "C11" at 73.293,34.501 h0.7 r90; Mechanical 7 "C10" at 73.293,33.701 h0.7 r90; Mechanical 7 "C9" at 73.547,32.901 h0.7 r90; Mechanical 7 "C8" at 73.547,32.101 h0.7 r90; Mechanical 7 "B11" at 72.643,34.501 h0.7 r90; Mechanical 7 "B10" at 72.643,33.701 h0.7 r90; Mechanical 7 "N11" at 79.793,34.501 h0.7 r90; Mechanical 7 "B9" at 72.897,32.901 h0.7 r90; Mechanical 7 "B8" at 72.897,32.101 h0.7 r90; Mechanical 7 "M8" at 79.397,32.101 h0.7 r90; Mechanical 7 "M9" at 79.397,32.901 h0.7 r90; Mechanical 7 "M10" at 79.143,33.701 h0.7 r90; Mechanical 7 "M11" at 79.143,34.501 h0.7 r90; Mechanical 7 "F11" at 75.243,34.501 h0.7 r90; Mechanical 7 "F10" at 75.243,33.701 h0.7 r90; Mechanical 7 "L8" at 78.747,32.101 h0.7 r90; Mechanical 7 "G8" at 76.147,32.101 h0.7 r90; Mechanical 7 "P8" at 80.697,32.101 h0.7 r90; Mechanical 7 "D8" at 74.197,32.101 h0.7 r90; Mechanical 7 "L11" at 78.493,34.501 h0.7 r90; Mechanical 7 "L10" at 78.493,33.701 h0.7 r90; Mechanical 7 "G11" at 75.893,34.501 h0.7 r90; Mechanical 7 "G10" at 75.893,33.701 h0.7 r90; Mechanical 7 "P11" at 80.443,34.501 h0.7 r90; Mechanical 7 "P10" at 80.443,33.701 h0.7 r90; Mechanical 7 "D11" at 73.943,34.501 h0.7 r90; Mechanical 7 "D10" at 73.943,33.701 h0.7 r90; Mechanical 12 "K4E8E304EE-EGCE" at 77.955,31.301 h0.7 r90
D13: Mechanical 30 "N2" at 56.503,49 h0.7; Mechanical 30 "P4" at 57.503,48.5 h0.7; Mechanical 30 "N5" at 58.003,49 h0.7; Mechanical 30 "P6" at 58.503,48.5 h0.7; Mechanical 30 "C4" at 57.503,54 h0.7; Mechanical 30 "H10" at 60.605,51.5 h0.7; Mechanical 30 "K8" at 59.503,50.5 h0.7; Mechanical 30 "E7" at 59.003,53 h0.7; Mechanical 30 "G5" at 58.003,52 h0.7; Mechanical 30 "G10" at 60.605,52 h0.7; Mechanical 30 "F10" at 60.605,52.5 h0.7; Mechanical 30 "E9" at 60.003,53 h0.7; Mechanical 30 "E8" at 59.503,53 h0.7; Mechanical 30 "E5" at 58.003,53 h0.7; Mechanical 30 "E10" at 60.605,53 h0.7; Mechanical 30 "C5" at 58.003,54 h0.7; Mechanical 30 "A7" at 59.003,55 h0.7; Mechanical 30 "P7" at 59.003,48.5 h0.7; Mechanical 30 "P10" at 60.605,48.5 h0.7; Mechanical 30 "K7" at 59.003,50.5 h0.7; Mechanical 30 "K6" at 58.503,50.5 h0.7; Mechanical 30 "K10" at 60.605,50.5 h0.7; Mechanical 30 "G3" at 57.003,52 h0.7; Mechanical 30 "P9" at 60.003,48.5 h0.7; Mechanical 30 "P8" at 59.503,48.5 h0.7; Mechanical 30 "P2" at 56.503,48.5 h0.7; Mechanical 30 "P14" at 62.605,48.5 h0.7; Mechanical 30 "P13" at 62.105,48.5 h0.7; Mechanical 30 "P12" at 61.605,48.5 h0.7; Mechanical 30 "P11" at 61.105,48.5 h0.7; Mechanical 30 "P1" at 56.003,48.5 h0.7; Mechanical 30 "N9" at 60.003,49 h0.7; Mechanical 30 "N8" at 59.503,49 h0.7; Mechanical 30 "N7" at 59.003,49 h0.7; Mechanical 30 "N6" at 58.503,49 h0.7; Mechanical 30 "N3" at 57.003,49 h0.7; Mechanical 30 "N14" at 62.605,49 h0.7; Mechanical 30 "N13" at 62.105,49 h0.7; Mechanical 30 "N12" at 61.605,49 h0.7; Mechanical 30 "N11" at 61.105,49 h0.7; Mechanical 30 "N10" at 60.605,49 h0.7; Mechanical 30 "N1" at 56.003,49 h0.7; Mechanical 30 "M9" at 60.003,49.5 h0.7; Mechanical 30 "M8" at 59.503,49.5 h0.7; Mechanical 30 "M7" at 59.003,49.5 h0.7; Mechanical 30 "M3" at 57.003,49.5 h0.7; Mechanical 30 "M2" at 56.503,49.5 h0.7; Mechanical 30 "M14" at 62.605,49.5 h0.7; Mechanical 30 "M13" at 62.105,49.5 h0.7; Mechanical 30 "M12" at 61.605,49.5 h0.7; Mechanical 30 "M11" at 61.105,49.5 h0.7; Mechanical 30 "M10" at 60.605,49.5 h0.7; Mechanical 30 "M1" at 56.003,49.5 h0.7; Mechanical 30 "L3" at 57.003,50 h0.7; Mechanical 30 "L2" at 56.503,50 h0.7; Mechanical 30 "L14" at 62.605,50 h0.7; Mechanical 30 "L13" at 62.105,50 h0.7; Mechanical 30 "L12" at 61.605,50 h0.7; Mechanical 30 "L1" at 56.003,50 h0.7; Mechanical 30 "K3" at 57.003,50.5 h0.7; Mechanical 30 "K2" at 56.503,50.5 h0.7; Mechanical 30 "K14" at 62.605,50.5 h0.7; Mechanical 30 "K13" at 62.105,50.5 h0.7; Mechanical 30 "K12" at 61.605,50.5 h0.7; Mechanical 30 "K1" at 56.003,50.5 h0.7; Mechanical 30 "J3" at 57.003,51 h0.7; Mechanical 30 "J2" at 56.503,51 h0.7; Mechanical 30 "J14" at 62.605,51 h0.7; Mechanical 30 "J13" at 62.105,51 h0.7; Mechanical 30 "J12" at 61.605,51 h0.7; Mechanical 30 "J1" at 56.003,51 h0.7; Mechanical 30 "H3" at 57.003,51.5 h0.7; Mechanical 30 "H2" at 56.503,51.5 h0.7; Mechanical 30 "H14" at 62.605,51.5 h0.7; Mechanical 30 "H13" at 62.105,51.5 h0.7; Mechanical 30 "H12" at 61.605,51.5 h0.7; Mechanical 30 "H1" at 56.003,51.5 h0.7; Mechanical 30 "G2" at 56.503,52 h0.7; Mechanical 30 "G14" at 62.605,52 h0.7; Mechanical 30 "G13" at 62.105,52 h0.7; Mechanical 30 "G12" at 61.605,52 h0.7; Mechanical 30 "G1" at 56.003,52 h0.7; Mechanical 30 "F3" at 57.003,52.5 h0.7; Mechanical 30 "F2" at 56.503,52.5 h0.7; Mechanical 30 "F14" at 62.605,52.5 h0.7; Mechanical 30 "F13" at 62.105,52.5 h0.7; Mechanical 30 "F12" at 61.605,52.5 h0.7; Mechanical 30 "F1" at 56.003,52.5 h0.7; Mechanical 30 "E3" at 57.003,53 h0.7; Mechanical 30 "E2" at 56.503,53 h0.7; Mechanical 30 "E14" at 62.605,53 h0.7; Mechanical 30 "E13" at 62.105,53 h0.7; Mechanical 30 "E12" at 61.605,53 h0.7; Mechanical 30 "E1" at 56.003,53 h0.7; Mechanical 30 "D4" at 57.503,53.5 h0.7; Mechanical 30 "D3" at 57.003,53.5 h0.7; Mechanical 30 "D2" at 56.503,53.5 h0.7; Mechanical 30 "D14" at 62.605,53.5 h0.7; Mechanical 30 "D12" at 61.605,53.5 h0.7; Mechanical 30 "D1" at 56.003,53.5 h0.7; Mechanical 30 "C9" at 60.003,54 h0.7; Mechanical 30 "C8" at 59.503,54 h0.7; Mechanical 30 "C7" at 59.003,54 h0.7; Mechanical 30 "C3" at 57.003,54 h0.7; Mechanical 30 "C14" at 62.605,54 h0.7; Mechanical 30 "C13" at 62.105,54 h0.7; Mechanical 30 "C12" at 61.605,54 h0.7; Mechanical 30 "C11" at 61.105,54 h0.7; Mechanical 30 "C10" at 60.605,54 h0.7; Mechanical 30 "C1" at 56.003,54 h0.7; Mechanical 30 "B9" at 60.003,54.5 h0.7; Mechanical 30 "B8" at 59.503,54.5 h0.7; Mechanical 30 "B7" at 59.003,54.5 h0.7; Mechanical 30 "B14" at 62.605,54.5 h0.7; Mechanical 30 "B13" at 62.105,54.5 h0.7; Mechanical 30 "B12" at 61.605,54.5 h0.7; Mechanical 30 "B11" at 61.105,54.5 h0.7; Mechanical 30 "B10" at 60.605,54.5 h0.7; Mechanical 30 "B1" at 56.003,54.5 h0.7; Mechanical 30 "A9" at 60.003,55 h0.7; Mechanical 30 "A8" at 59.503,55 h0.7; Mechanical 30 "A2" at 56.503,55 h0.7; Mechanical 30 "A14" at 62.605,55 h0.7; Mechanical 30 "A13" at 62.105,55 h0.7; Mechanical 30 "A12" at 61.605,55 h0.7; Mechanical 30 "A11" at 61.105,55 h0.7; Mechanical 30 "A10" at 60.605,55 h0.7; Mechanical 30 "A1" at 56.003,55 h0.7; Mechanical 30 "M6" at 58.503,49.5 h0.7; Mechanical 30 "M5" at 58.003,49.5 h0.7; Mechanical 30 "C2" at 56.503,54 h0.7; Mechanical 30 "B5" at 58.003,54.5 h0.7; Mechanical 30 "B3" at 57.003,54.5 h0.7; Mechanical 30 "E6" at 58.503,53 h0.7; Mechanical 30 "F5" at 58.003,52.5 h0.7; Mechanical 30 "J10" at 60.605,51 h0.7; Mechanical 30 "K9" at 60.003,50.5 h0.7; Mechanical 30 "B6" at 58.503,54.5 h0.7; Mechanical 30 "A3" at 57.003,55 h0.7; Mechanical 30 "A5" at 58.003,55 h0.7; Mechanical 30 "A4" at 57.503,55 h0.7; Mechanical 30 "K5" at 58.003,50.5 h0.7; Mechanical 30 "B4" at 57.503,54.5 h0.7; Mechanical 30 "N4" at 57.503,49 h0.7; Mechanical 30 "M4" at 57.503,49.5 h0.7; Mechanical 30 "P3" at 57.003,48.5 h0.7; Mechanical 30 "P5" at 58.003,48.5 h0.7; Mechanical 30 "C6" at 58.503,54 h0.7; Mechanical 30 "B2" at 56.503,54.5 h0.7; Mechanical 30 "A6" at 58.503,55 h0.7; Mechanical 30 "H5" at 58.003,51.5 h0.7; Mechanical 30 "J5" at 58.003,51 h0.7
J10: Top Overlay "1" at 1.75,8.35 h1.5; Top Overlay "35" at 20.95,8.35 h1.5